# Altium PCB S6.PcbDoc (part 7 of 14)
Units mil, origin at the board's own origin, x right, y up, seen from the top; angles counter-clockwise.
Board outline 5250 x 2929.55 mil, 6 copper layers (Top Layer, Mid-Layer 2, Mid-Layer 4, Mid-Layer 3, Mid-Layer 1, Bottom Layer); 345 components, 365 nets, 2233 pads, 960 vias.
Unrouted connection lines stored in the file: 1.
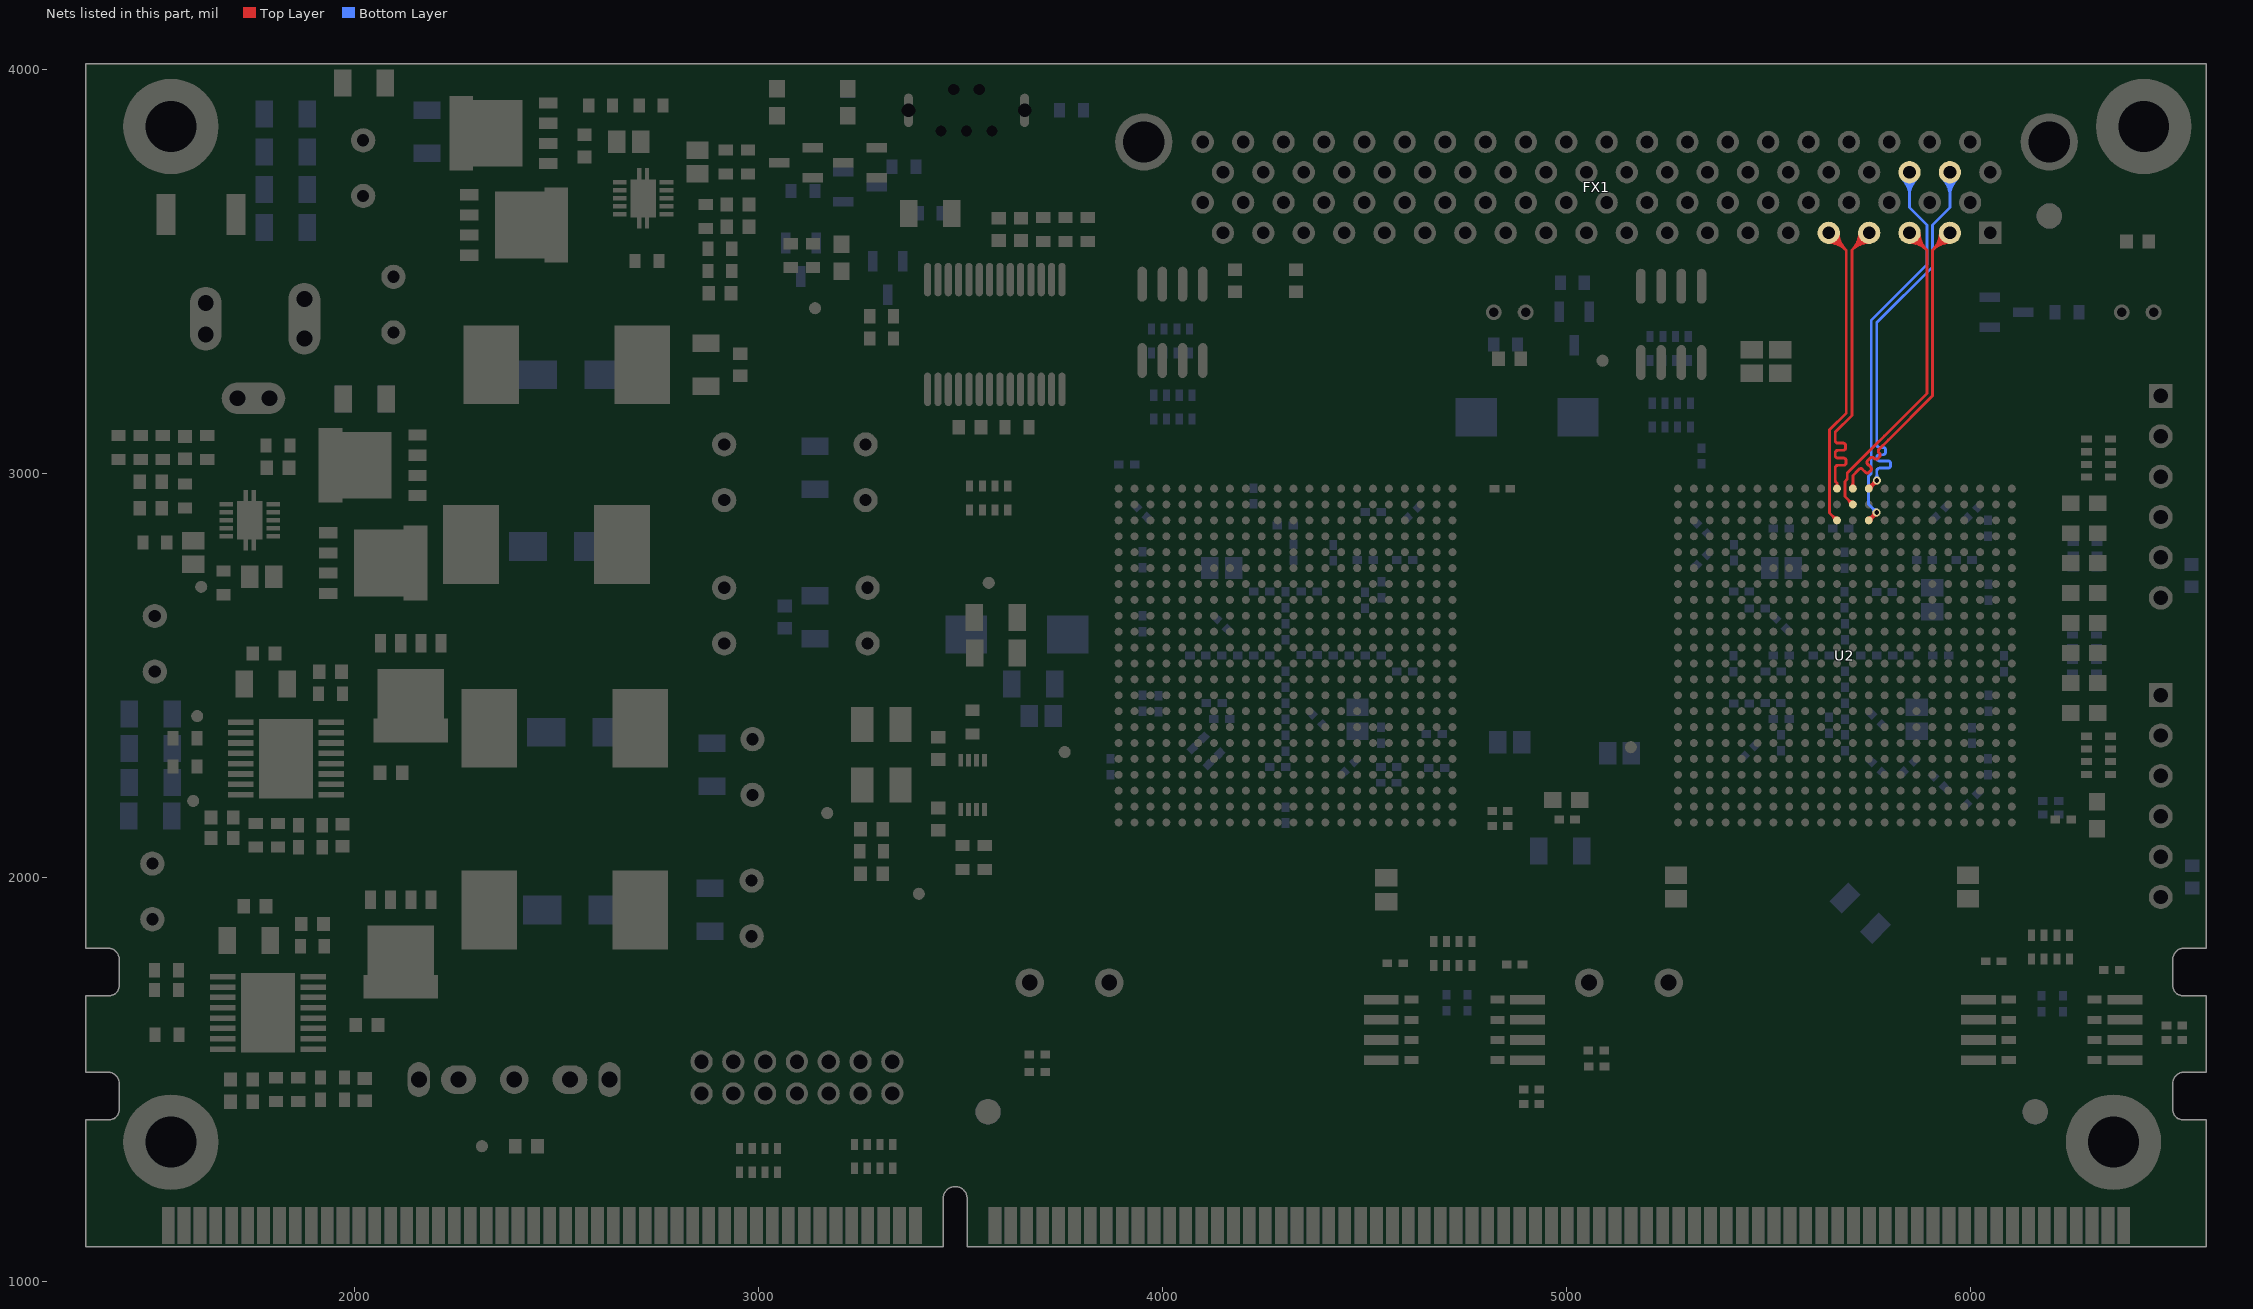
[diagram p11: the nets of this part, all layers, seen from the top]

## Via types
v1: diameter 19.68, hole 11.81, Top Layer to Bottom Layer, tented both sides, 469 vias
v2: diameter 32, hole 18, Top Layer to Bottom Layer, tented both sides, 257 vias
v3: diameter 22, hole 12, Top Layer to Bottom Layer, tented both sides, 185 vias
v4: diameter 25.59, hole 12.99, Top Layer to Bottom Layer, tented bottom, 16 vias
v5: diameter 50, hole 28, Top Layer to Bottom Layer, tented both sides, 15 vias
v6: diameter 23.62, hole 11.81, Top Layer to Bottom Layer, tented bottom, 10 vias
v7: diameter 20, hole 12, Top Layer to Bottom Layer, tented both sides, 5 vias
v8: diameter 21.65, hole 11.81, Top Layer to Bottom Layer, tented both sides, 2 vias
v9: diameter 39.37, hole 39.37, Top Layer to Bottom Layer, 1 vias

## Nets (pads, with @x,y where several pads share a name; then routed paths per layer and width w, separated by ;. In a path a pad name is that pad's centre, name@x,y a point inside that pad or via, vN(x,y) a via of type N, cw(c..) or ccw(c..) an arc to the next point about the centre after c; other vN are vias at no path point) (continued)
FX1_FPGA2_6_N: FX1.7 U2.A11 | length 929.9
  Top Layer w7: U2.A11@5666.23,2968.24 ccw(c5658.88,2977) 5670.31,2977 ; U2.A11@5670.31,2963.39 5670.31,2977 ; U2.A11@5674.4,2968.24 cw(c5681.75,2977) 5670.32,2977 ; FX1.7@5725.94,3596.61 cw(c5667.86,3596.61) 5708.93,3555.54 cw(c5750,3514.47) FX1.7@5750,3572.56 ; FX1.7@5732.94,3596.61 cw(c5691.76,3596.61) 5720.88,3567.49 cw(c5750,3538.37) FX1.7@5750,3579.56 ; FX1.7@5750,3596.61 5707.5,3554.11 5707.5,3144.7 5665.9,3103.1 5665.9,3094.1 5665.9,3082.4 ccw(c5672.2,3082.4) 5672.2,3076.1 5685.47,3076.1 cw(c5685.47,3069.8) 5691.77,3069.8 5691.77,3064.4 cw(c5685.47,3064.4) 5685.47,3058.1 5672.2,3058.1 ccw(c5672.2,3051.8) 5665.9,3051.8 5665.9,3048 5665.9,3045.3 ccw(c5672.2,3045.3) 5672.2,3039 5686.6,3039 cw(c5686.6,3032.7) 5692.9,3032.7 5692.9,3027.3 cw(c5686.6,3027.3) 5686.6,3021 5672.2,3021 ccw(c5672.2,3014.7) 5665.9,3014.7 5665.9,2981.42 5670.31,2977
FX1_FPGA2_6_P: FX1.9 U2.C11 | length 934.8
  Top Layer w7: FX1.9@5650,3572.56 cw(c5650,3514.47) 5691.07,3555.54 cw(c5732.14,3596.61) FX1.9@5674.06,3596.61 ; FX1.9@5650,3579.56 cw(c5650,3538.37) 5679.12,3567.49 cw(c5708.24,3596.61) FX1.9@5667.06,3596.61 ; FX1.9@5650,3596.61 5693.5,3553.11 5693.5,3150.5 5651.9,3108.9 5651.9,3094.1 5651.9,3082.4 5651.9,2903.06 U2.C11@5670.31,2884.65 ; U2.C11@5663.97,2884.65 ccw(c5648.66,2884.65) 5659.49,2895.47 ccw(c5670.31,2906.3) U2.C11@5670.31,2890.99
FX1_FPGA2_7_N: FX1.3 U2.A12 | length 965.1
  Top Layer w7: U2.A12@5705.2,2967.87 ccw(c5694.37,2978.7) 5709.69,2978.7 ccw(c5725,2978.7) U2.A12@5714.17,2967.87 ; U2.A12@5709.69,2963.39 5709.69,2995.89 5722.9,3009.1 5724.81,3011.01 cw(c5729.26,3006.55) 5733.72,3011.01 5741.07,3003.66 ccw(c5745.53,3008.11) 5749.98,3003.66 5753.8,3007.47 ccw(c5749.35,3011.93) 5753.8,3016.38 5746.45,3023.74 cw(c5750.9,3028.19) 5746.45,3032.65 5750.9,3037.1 5752.81,3039.01 cw(c5757.26,3034.55) 5761.72,3039.01 5762.71,3038.02 ccw(c5767.16,3042.47) 5771.62,3038.02 5775.44,3041.84 ccw(c5770.98,3046.29) 5775.44,3050.75 5774.45,3051.74 cw(c5778.9,3056.19) 5774.45,3060.65 5797.9,3084.1 5907,3193.2 5907,3553.61 FX1.3@5950,3596.61 ; FX1.3@5925.94,3596.61 cw(c5867.86,3596.61) 5908.93,3555.54 cw(c5950,3514.47) FX1.3@5950,3572.56 ; FX1.3@5932.94,3596.61 cw(c5891.76,3596.61) 5920.88,3567.49 cw(c5950,3538.37) FX1.3@5950,3579.56
FX1_FPGA2_7_P: FX1.5 U2.B12 | length 962.6
  Top Layer w7: U2.B12@5703.34,2924.02 ccw(c5688.03,2924.02) 5698.86,2934.84 ccw(c5709.69,2945.67) U2.B12@5709.69,2930.36 ; U2.B12@5709.69,2924.02 5690,2943.7 5690,2981 5695.69,2986.69 5695.69,3001.69 5764.55,3070.55 5788,3094 5893,3199 5893,3553.61 FX1.5@5850,3596.61 ; FX1.5@5850,3572.56 cw(c5850,3514.47) 5891.07,3555.54 cw(c5932.14,3596.61) FX1.5@5874.06,3596.61 ; FX1.5@5850,3579.56 cw(c5850,3538.37) 5879.12,3567.49 cw(c5908.24,3596.61) FX1.5@5867.06,3596.61
FX1_FPGA2_8_N: FX1.43 U2.A13 | length 1172.7
  Top Layer w10: U2.A13@5749.06,2963.39 v1(5769,2983.33) ; U2.A13@5749.06,2968.23 ccw(c5749.06,2979.92) 5757.32,2971.65 ccw(c5765.59,2963.39) U2.A13@5753.9,2963.39 ; v1@5764.16,2983.33 cw(c5752.47,2983.33) 5760.73,2975.06 cw(c5769,2966.8) v1@5769,2978.49
  Bottom Layer w7: v1@5764.52,2987.82 ccw(c5753.69,2998.64) 5769,2998.64 ccw(c5784.31,2998.64) v1@5773.48,2987.82 ; v1(5769,2983.33) 5769,3007.7 cw(c5775.3,3007.7) 5775.3,3014 5796.7,3014 ccw(c5796.7,3020.3) 5803,3020.3 5803,3025.7 ccw(c5796.7,3025.7) 5796.7,3032 5775.3,3032 cw(c5775.3,3038.3) 5769,3038.3 5769,3041 cw(c5775.3,3041) 5775.3,3047.3 5784.28,3047.3 ccw(c5784.28,3053.6) 5790.58,3053.6 5790.58,3059 ccw(c5784.28,3059) 5784.28,3065.3 5775.3,3065.3 cw(c5775.3,3071.6) 5769,3071.6 5769,3374.2 5907,3512.2 5907,3616 5950,3659 FX1.43@5950,3746.61 ; FX1.43@5932.99,3729.6 cw(c5891.92,3688.53) 5950,3688.53 cw(c6008.08,3688.53) FX1.43@5967.01,3729.6 ; FX1.43@5937.94,3734.55 cw(c5908.82,3705.43) 5950,3705.43 cw(c5991.18,3705.43) FX1.43@5962.06,3734.55
FX1_FPGA2_8_P: FX1.45 U2.C13 | length 1172.8
  Top Layer w10: U2.C13@5749.06,2884.65 v1(5768.74,2904.33) ; U2.C13@5749.06,2889.49 ccw(c5749.06,2901.18) 5757.32,2892.91 ccw(c5765.59,2884.65) U2.C13@5753.9,2884.65 ; v1@5763.9,2904.33 cw(c5752.21,2904.33) 5760.47,2896.06 cw(c5768.74,2887.8) v1@5768.74,2899.49
  Bottom Layer w7: v1@5762.4,2904.33 ccw(c5747.09,2904.33) 5757.91,2915.16 ccw(c5768.74,2925.99) v1@5768.74,2910.67 ; v1(5768.74,2904.33) 5748.66,2924.41 5748.66,2993.79 5755,3000.13 5755,3380 5757,3382 5893,3518 5893,3616 5850,3659 FX1.45@5850,3746.61 ; FX1.45@5832.99,3729.6 cw(c5791.92,3688.53) 5850,3688.53 cw(c5908.08,3688.53) FX1.45@5867.01,3729.6 ; FX1.45@5837.94,3734.55 cw(c5808.82,3705.43) 5850,3705.43 cw(c5891.18,3705.43) FX1.45@5862.06,3734.55